# KiCad board Oblique Palette 0.5 PCB Main.kicad_pcb (continued)
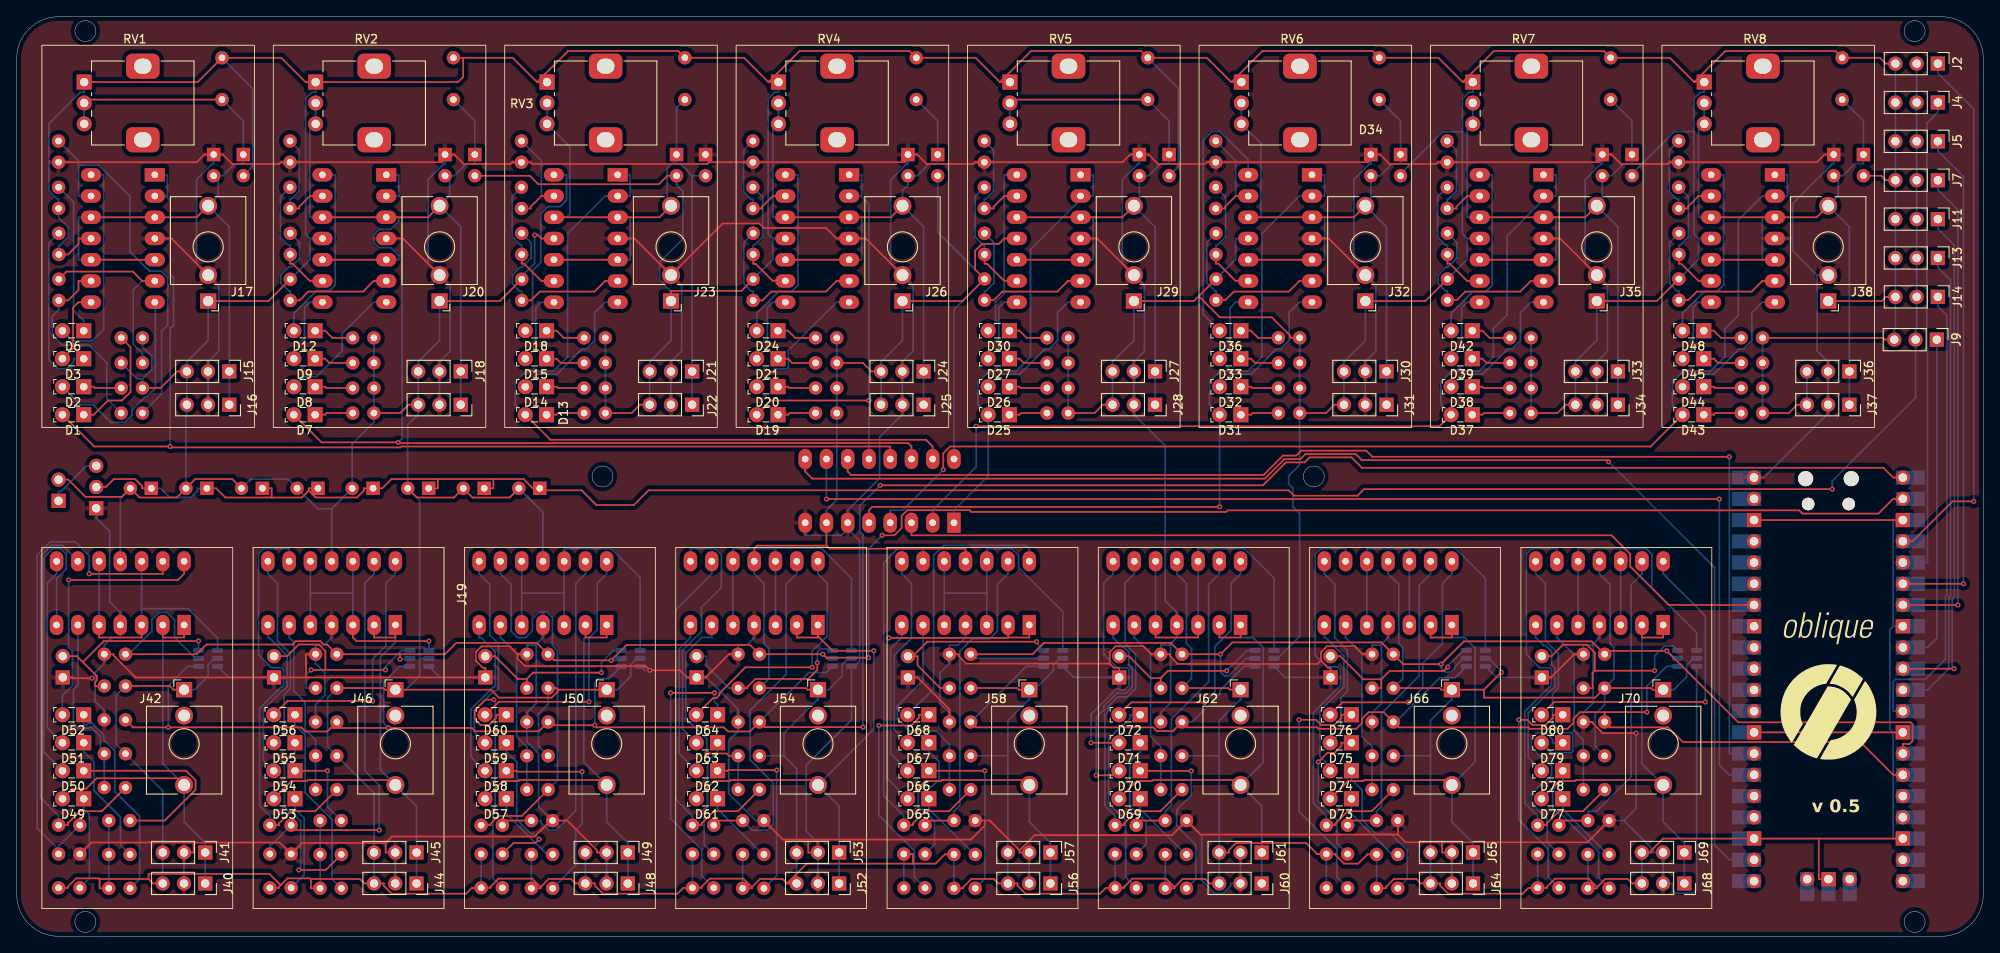
[diagram p0: board, top side]
## Placement (name value [footprint] x y rotation side) (continued)
R112  47K  [R_Axial_DIN0207_L6.3mm_D2.5mm_P2.54mm_Vertical]  114 21.59 180 bottom
R113  390K  [R_Axial_DIN0207_L6.3mm_D2.5mm_P2.54mm_Vertical]  114 17.54 180 bottom
R114  270K  [R_Axial_DIN0207_L6.3mm_D2.5mm_P2.54mm_Vertical]  108.54 13.29 180 bottom
R115  100K  [R_Axial_DIN0207_L6.3mm_D2.5mm_P2.54mm_Vertical]  114.54 13.84 180 bottom
R116  1k  [R_Axial_DIN0207_L6.3mm_D2.5mm_P2.54mm_Vertical]  114.54 9.79 180 bottom
R117  68R  [R_Axial_DIN0207_L6.3mm_D2.5mm_P2.54mm_Vertical]  114.54 5.74 180 bottom
R118  128R  [R_Axial_DIN0207_L6.3mm_D2.5mm_P2.54mm_Vertical]  108.54 9.84 180 bottom
R119  128R  [R_Axial_DIN0207_L6.3mm_D2.5mm_P2.54mm_Vertical]  108.54 5.79 180 bottom
R120  10K  [R_Axial_DIN0207_L6.3mm_D2.5mm_P2.54mm_Vertical]  139.25 33.74 180 bottom
R121  10K  [R_Axial_DIN0207_L6.3mm_D2.5mm_P2.54mm_Vertical]  139.25 29.69 180 bottom
R122  10K  [R_Axial_DIN0207_L6.3mm_D2.5mm_P2.54mm_Vertical]  139.25 25.64 180 bottom
R123  47K  [R_Axial_DIN0207_L6.3mm_D2.5mm_P2.54mm_Vertical]  139.25 21.59 180 bottom
R124  390K  [R_Axial_DIN0207_L6.3mm_D2.5mm_P2.54mm_Vertical]  139.25 17.54 180 bottom
R125  270K  [R_Axial_DIN0207_L6.3mm_D2.5mm_P2.54mm_Vertical]  133.79 13.29 180 bottom
R126  100K  [R_Axial_DIN0207_L6.3mm_D2.5mm_P2.54mm_Vertical]  139.79 13.84 180 bottom
R127  1k  [R_Axial_DIN0207_L6.3mm_D2.5mm_P2.54mm_Vertical]  139.79 9.79 180 bottom
R128  68R  [R_Axial_DIN0207_L6.3mm_D2.5mm_P2.54mm_Vertical]  139.79 5.74 180 bottom
R129  128R  [R_Axial_DIN0207_L6.3mm_D2.5mm_P2.54mm_Vertical]  133.79 9.84 180 bottom
R130  128R  [R_Axial_DIN0207_L6.3mm_D2.5mm_P2.54mm_Vertical]  133.79 5.79 180 bottom
R131  10K  [R_Axial_DIN0207_L6.3mm_D2.5mm_P2.54mm_Vertical]  164.5 33.74 180 bottom
R132  10K  [R_Axial_DIN0207_L6.3mm_D2.5mm_P2.54mm_Vertical]  164.5 29.69 180 bottom
R133  10K  [R_Axial_DIN0207_L6.3mm_D2.5mm_P2.54mm_Vertical]  164.5 25.64 180 bottom
R134  47K  [R_Axial_DIN0207_L6.3mm_D2.5mm_P2.54mm_Vertical]  164.5 21.59 180 bottom
R135  390K  [R_Axial_DIN0207_L6.3mm_D2.5mm_P2.54mm_Vertical]  164.5 17.54 180 bottom
R136  270K  [R_Axial_DIN0207_L6.3mm_D2.5mm_P2.54mm_Vertical]  159.04 13.29 180 bottom
R137  100K  [R_Axial_DIN0207_L6.3mm_D2.5mm_P2.54mm_Vertical]  165.04 13.84 180 bottom
R138  1k  [R_Axial_DIN0207_L6.3mm_D2.5mm_P2.54mm_Vertical]  165.04 9.79 180 bottom
R139  68R  [R_Axial_DIN0207_L6.3mm_D2.5mm_P2.54mm_Vertical]  165.04 5.74 180 bottom
R140  128R  [R_Axial_DIN0207_L6.3mm_D2.5mm_P2.54mm_Vertical]  159.04 9.84 180 bottom
R141  128R  [R_Axial_DIN0207_L6.3mm_D2.5mm_P2.54mm_Vertical]  159.04 5.79 180 bottom
R142  10K  [R_Axial_DIN0207_L6.3mm_D2.5mm_P2.54mm_Vertical]  189.75 33.74 180 bottom
R143  10K  [R_Axial_DIN0207_L6.3mm_D2.5mm_P2.54mm_Vertical]  189.75 29.69 180 bottom
R144  10K  [R_Axial_DIN0207_L6.3mm_D2.5mm_P2.54mm_Vertical]  189.75 25.64 180 bottom
R145  47K  [R_Axial_DIN0207_L6.3mm_D2.5mm_P2.54mm_Vertical]  189.75 21.59 180 bottom
R146  390K  [R_Axial_DIN0207_L6.3mm_D2.5mm_P2.54mm_Vertical]  189.75 17.54 180 bottom
R147  270K  [R_Axial_DIN0207_L6.3mm_D2.5mm_P2.54mm_Vertical]  184.29 13.29 180 bottom
R148  100K  [R_Axial_DIN0207_L6.3mm_D2.5mm_P2.54mm_Vertical]  190.29 13.84 180 bottom
R149  1k  [R_Axial_DIN0207_L6.3mm_D2.5mm_P2.54mm_Vertical]  190.29 9.79 180 bottom
R150  68R  [R_Axial_DIN0207_L6.3mm_D2.5mm_P2.54mm_Vertical]  190.29 5.74 180 bottom
R151  128R  [R_Axial_DIN0207_L6.3mm_D2.5mm_P2.54mm_Vertical]  184.29 9.84 180 bottom
R152  128R  [R_Axial_DIN0207_L6.3mm_D2.5mm_P2.54mm_Vertical]  184.29 5.79 180 bottom
RV1  R_Potentiometer_MountingPin  [Potentiometer_Alps_RK09K_Single_Vertical]  8.06 102.18 0 top
RV2  R_Potentiometer_MountingPin  [Potentiometer_Alps_RK09K_Single_Vertical]  35.72 102.18 0 top
RV3  R_Potentiometer_MountingPin  [Potentiometer_Alps_RK09K_Single_Vertical]  63.37 102.18 0 top
RV4  R_Potentiometer_MountingPin  [Potentiometer_Alps_RK09K_Single_Vertical]  91.03 102.18 0 top
RV5  R_Potentiometer_MountingPin  [Potentiometer_Alps_RK09K_Single_Vertical]  118.69 102.18 0 top
RV6  R_Potentiometer_MountingPin  [Potentiometer_Alps_RK09K_Single_Vertical]  146.34 102.18 0 top
RV7  R_Potentiometer_MountingPin  [Potentiometer_Alps_RK09K_Single_Vertical]  174 102.18 0 top
RV8  R_Potentiometer_MountingPin  [Potentiometer_Alps_RK09K_Single_Vertical]  201.66 102.18 0 top
U1  CD4051B  [DIP-16_W7.62mm_LongPads]  112 49.47 90 bottom
U2  Pico  [RPi_Pico_SMD_TH]  216.5 30.74 180 bottom
U3  MCP6004  [DIP-14_W7.62mm_Socket_LongPads]  16.5 91.09 180 bottom
U4  MCP6004  [DIP-14_W7.62mm_Socket_LongPads]  44.16 91.09 180 bottom
U5  MCP6004  [DIP-14_W7.62mm_Socket_LongPads]  71.81 91.09 180 bottom
U6  MCP6004  [DIP-14_W7.62mm_Socket_LongPads]  99.47 91.09 180 bottom
U7  MCP6004  [DIP-14_W7.62mm_Socket_LongPads]  127.13 91.09 180 bottom
U8  MCP6004  [DIP-14_W7.62mm_Socket_LongPads]  154.78 91.09 180 bottom
U9  MCP6004  [DIP-14_W7.62mm_Socket_LongPads]  182.44 91.09 180 bottom
U10  MCP6004  [DIP-14_W7.62mm_Socket_LongPads]  210.1 91.09 180 bottom
U11  MCP4725xxx-xCH  [SOT-23-6]  22.86 33.24 180 bottom
U12  MCP6004  [DIP-14_W7.62mm_LongPads]  20 37.24 90 bottom
U13  MCP4725xxx-xCH  [SOT-23-6]  48.11 33.24 180 bottom
U14  MCP6004  [DIP-14_W7.62mm_LongPads]  45.25 37.24 90 bottom
U15  MCP4725xxx-xCH  [SOT-23-6]  73.36 33.24 180 bottom
U16  MCP6004  [DIP-14_W7.62mm_LongPads]  70.5 37.24 90 bottom
U17  MCP4725xxx-xCH  [SOT-23-6]  98.61 33.24 180 bottom
U18  MCP6004  [DIP-14_W7.62mm_LongPads]  95.75 37.24 90 bottom
U19  MCP4725xxx-xCH  [SOT-23-6]  123.86 33.24 180 bottom
U20  MCP6004  [DIP-14_W7.62mm_LongPads]  121 37.24 90 bottom
U21  MCP4725xxx-xCH  [SOT-23-6]  149.11 33.24 180 bottom
U22  MCP6004  [DIP-14_W7.62mm_LongPads]  146.25 37.24 90 bottom
U23  MCP4725xxx-xCH  [SOT-23-6]  174.36 33.24 180 bottom
U24  MCP6004  [DIP-14_W7.62mm_LongPads]  171.5 37.24 90 bottom
U25  MCP4725xxx-xCH  [SOT-23-6]  199.61 33.24 180 bottom
U26  MCP6004  [DIP-14_W7.62mm_LongPads]  196.75 37.24 90 bottom

## Library data of the parts
C1-C8 = -: Description: Polarized capacitor, small symbol; ki_fp_filters: CP_*
C9-C16 = -: Description: Unpolarized capacitor; ki_fp_filters: C_*
D1-D3 D6-D9 D12-D15 D18-D21 D24-D27 D30-D33 D36-D39 D42-D45 D48-D80 = -: Datasheet: http://www.osram-os.com/Graphics/XPic0/00203825_0.pdf; Description: 850nm High Power Infrared Emitter, Side-Emitter package; ki_fp_filters: LED*SideEmitter*Rectangular*W4.5mm*H1.6mm*
D4 D5 D10 D11 D16 D17 D22 D23 D28 D29 D34 D35 D40 D41 D46 D47 = -: Description: Diode; Sim.Device: D; Sim.Pins: 1=K 2=A; ki_fp_filters: TO-???* *_Diode_* *SingleDiode* D_*
J2 J4 J5 J7 J9 J11 J13-J16 J18 J19 J21 J22 J24 J25 J27 J28 J30 J31 J33 J34 J36 J37 J40 J41 J44 J45 J48 J49 J52 J53 J56 J57 J60 J61 J64 J65 J68 J69 J71 = -: Description: Generic connector, single row, 01x03, script generated; ki_fp_filters: Connector*:*_1x??_*
J17 J20 J23 J26 J29 J32 J35 J38 J42 J46 J50 J54 J58 J62 J66 J70 = -: Description: Audio Jack, 2 Poles (Mono / TS), Switched T Pole (Normalling); ki_fp_filters: Jack*
J39 J43 J47 J51 J55 J59 J63 J67 J72 = -: Description: Generic connector, single row, 01x02, script generated; ki_fp_filters: Connector*:*_1x??_*
R1-R152 = -: Description: Resistor; ki_fp_filters: R_*
RV1-RV8 = -: Description: Potentiometer with a mounting pin; ki_fp_filters: Potentiometer*
U1 = -: Datasheet: http://www.ti.com/lit/ds/symlink/cd4052b.pdf; Description: CMOS single 8-channel analog multiplexer demultiplexer, TSSOP-16/DIP-16/SOIC-16; ki_fp_filters: TSSOP*4.4x5mm*P0.65mm* DIP*W7.62* SOIC*3.9x9.9mm*P1.27mm* SO*5.3x10.2mm*P1.27mm*
U3-U10 U12 U14 U16 U18 U20 U22 U24 U26 = -: Datasheet: http://ww1.microchip.com/downloads/en/DeviceDoc/21733j.pdf; Description: 1MHz, Low-Power Op Amp, DIP-14/SOIC-14/TSSOP-14; ki_fp_filters: SOIC*3.9x8.7mm*P1.27mm* DIP*W7.62mm* TSSOP*4.4x5mm*P0.65mm* SSOP*5.3x6.2mm*P0.65mm* MSOP*3x3mm*P0.5mm*
U11 U13 U15 U17 U19 U21 U23 U25 = -: Datasheet: http://ww1.microchip.com/downloads/en/DeviceDoc/22039d.pdf; Description: 12-bit Digital-to-Analog Converter, integrated EEPROM, I2C interface, SOT-23-6; ki_fp_filters: SOT?23*

## Footprints (pads in the part's own frame, mm; a bottom-side part is the same pattern mirrored in y, then rotated)
C_Disc_D4.7mm_W2.5mm_P5.00mm
  round 1.6 hole 0.8: 1(0,0) 2(5,0)
CP_Radial_D5.0mm_P2.50mm
  rect 1.6x1.6 hole 0.8: 1(0,0)
  round 1.6 hole 0.8: 2(2.5,0)
D_DO-35_SOD27_P2.54mm_Vertical_KathodeUp
  rect 1.6x1.6 hole 0.8: 1(0,0)
  oval 1.6x1.6 hole 0.8: 2(2.54,0)
DIP-14_W7.62mm_LongPads
  rect 2.4x1.6 hole 0.8: 1(0,0)
  oval 2.4x1.6 hole 0.8: 2(0,-2.54) 3(0,-5.08) 4(0,-7.62) 5(0,-10.16) 6(0,-12.7) 7(0,-15.24) 8(7.62,-15.24) 9(7.62,-12.7) 10(7.62,-10.16) 11(7.62,-7.62) 12(7.62,-5.08) 13(7.62,-2.54) 14(7.62,0)
DIP-14_W7.62mm_Socket_LongPads
  rect 2.4x1.6 hole 0.8: 1(0,0)
  oval 2.4x1.6 hole 0.8: 2(0,-2.54) 3(0,-5.08) 4(0,-7.62) 5(0,-10.16) 6(0,-12.7) 7(0,-15.24) 8(7.62,-15.24) 9(7.62,-12.7) 10(7.62,-10.16) 11(7.62,-7.62) 12(7.62,-5.08) 13(7.62,-2.54) 14(7.62,0)
DIP-16_W7.62mm_LongPads
  rect 2.4x1.6 hole 0.8: 1(0,0)
  oval 2.4x1.6 hole 0.8: 2(0,-2.54) 3(0,-5.08) 4(0,-7.62) 5(0,-10.16) 6(0,-12.7) 7(0,-15.24) 8(0,-17.78) 9(7.62,-17.78) 10(7.62,-15.24) 11(7.62,-12.7) 12(7.62,-10.16) 13(7.62,-7.62) 14(7.62,-5.08) 15(7.62,-2.54) 16(7.62,0)
Jack_3.5mm_QingPu_WQP-PJ398SM_Vertical_CircularHoles
  rect 1.93x1.83 hole 1.22: S(0,0)
  round 2.13 hole 1.43: T(0,-11.4)
  round 2.13 hole 1.42: TN(0,-3.1)
LED_SideEmitter_Rectangular_W4.5mm_H1.6mm
  rect 1.8x1.8 hole 0.9: 1(0,0)
  round 1.8 hole 0.9: 2(2.54,0)
PinHeader_1x02_P2.54mm_Vertical
  rect 1.7x1.7 hole 1: 1(0,0)
  oval 1.7x1.7 hole 1: 2(0,-2.54)
PinHeader_1x03_P2.54mm_Vertical
  rect 1.7x1.7 hole 1: 1(0,0)
  oval 1.7x1.7 hole 1: 2(0,-2.54) 3(0,-5.08)
PinSocket_1x03_P2.54mm_Vertical
  rect 1.7x1.7 hole 1: 1(0,0)
  oval 1.7x1.7 hole 1: 2(0,-2.54) 3(0,-5.08)
Potentiometer_Alps_RK09K_Single_Vertical
  rect 1.8x1.8 hole 1: 1(0,0)
  round 1.8 hole 1: 2(0,-2.5) 3(0,-5)
  rrect 4x3 hole 2.1x1.8: MP(7,1.9) MP(7,-6.9)
R_Axial_DIN0207_L6.3mm_D2.5mm_P2.54mm_Vertical
  round 1.6 hole 0.8: 1(0,0)
  oval 1.6x1.6 hole 0.8: 2(2.54,0)
RPi_Pico_SMD_TH
  oval 1.8x1.8 hole 1.8 unplated: (-2.725,24) (2.725,24)
  oval 1.5x1.5 hole 1.5 unplated: (-2.425,20.97) (2.425,20.97)
  oval 1.7x1.7 hole 1.02: 1(-8.89,24.13) 2(-8.89,21.59) 4(-8.89,16.51) 5(-8.89,13.97) 6(-8.89,11.43) 7(-8.89,8.89) 9(-8.89,3.81) 10(-8.89,1.27) 11(-8.89,-1.27) 12(-8.89,-3.81) 14(-8.89,-8.89) 15(-8.89,-11.43) 16(-8.89,-13.97) 17(-8.89,-16.51) 19(-8.89,-21.59) 20(-8.89,-24.13) 21(8.89,-24.13) 22(8.89,-21.59) 24(8.89,-16.51) 25(8.89,-13.97) 26(8.89,-11.43) 27(8.89,-8.89) 29(8.89,-3.81) 30(8.89,-1.27) 31(8.89,1.27) 32(8.89,3.81) 34(8.89,8.89) 35(8.89,11.43) 36(8.89,13.97) 37(8.89,16.51) 39(8.89,21.59) 40(8.89,24.13) 41(-2.54,-23.9) 43(2.54,-23.9)
  rect 3.5x1.7 smd: 1(-8.89,24.13) 2(-8.89,21.59) 3(-8.89,19.05) 4(-8.89,16.51) 5(-8.89,13.97) 6(-8.89,11.43) 7(-8.89,8.89) 8(-8.89,6.35) 9(-8.89,3.81) 10(-8.89,1.27) 11(-8.89,-1.27) 12(-8.89,-3.81) 13(-8.89,-6.35) 14(-8.89,-8.89) 15(-8.89,-11.43) 16(-8.89,-13.97) 17(-8.89,-16.51) 18(-8.89,-19.05) 19(-8.89,-21.59) 20(-8.89,-24.13) 21(8.89,-24.13) 22(8.89,-21.59) 23(8.89,-19.05) 24(8.89,-16.51) 25(8.89,-13.97) 26(8.89,-11.43) 27(8.89,-8.89) 28(8.89,-6.35) 29(8.89,-3.81) 30(8.89,-1.27) 31(8.89,1.27) 32(8.89,3.81) 33(8.89,6.35) 34(8.89,8.89) 35(8.89,11.43) 36(8.89,13.97) 37(8.89,16.51) 38(8.89,19.05) 39(8.89,21.59) 40(8.89,24.13)
  rect 1.7x1.7 hole 1.02: 3(-8.89,19.05) 8(-8.89,6.35) 13(-8.89,-6.35) 18(-8.89,-19.05) 23(8.89,-19.05) 28(8.89,-6.35) 33(8.89,6.35) 38(8.89,19.05) 42(0,-23.9)
  rect 1.7x3.5 smd: 41(-2.54,-23.9) 42(0,-23.9) 43(2.54,-23.9)
SOT-23-6
  rrect 1.325x0.6 smd: 1(-1.137,0.95) 2(-1.137,0) 3(-1.137,-0.95) 4(1.137,-0.95) 5(1.137,0) 6(1.137,0.95)

## Nets
GNDREF: C1.2 C2.2 C3.2 C4.2 C5.2 C6.2 C7.2 C8.2 C9.2 C10.2 C11.2 C12.2 C13.2 C14.2 C15.2 C16.2 D5.2 D11.2 D17.2 D23.2 D29.2 D35.2 D41.2 D47.2 J2.3 J4.3 J5.3 J7.3 J9.3 J11.3 J13.3 J14.3 J15.3 J16.3 J17.S J18.3 J19.3 J20.S J21.3 J22.3 J23.S J24.3 J25.3 J26.S J27.3 J28.3 J29.S J30.3 J31.3 J32.S J33.3 J34.3 J35.S J36.3 J37.3 J38.S J40.3 J41.3 J42.S J44.3 J45.3 J46.S J48.3 J49.3 J50.S J52.3 J53.3 J54.S J56.3 J57.3 J58.S J60.3 J61.3 J62.S J64.3 J65.3 J66.S J68.3 J69.3 J70.S J72.2 R1.2 R2.1 R3.2 R5.2 R7.2 R9.2 R10.1 R11.2 R13.2 R15.2 R17.2 R18.1 R19.2 R21.2 R23.2 R25.2 R26.1 R27.2 R29.2 R31.2 R33.2 R34.1 R35.2 R37.2 R39.2 R41.2 R42.1 R43.2 R45.2 R47.2 R49.2 R50.1 R51.2 R53.2 R55.2 R57.2 R58.1 R59.2 R61.2 R63.2 R66.1 R68.1 R72.2 R73.2 R74.2 R75.2 R77.1 R79.1 R83.2 R84.2 R85.2 R86.2 R88.1 R90.1 R94.2 R95.2 R96.2 R97.2 R99.1 R101.1 R105.2 R106.2 R107.2 R108.2 R110.1 R112.1 R116.2 R117.2 R118.2 R119.2 R121.1 R123.1 R127.2 R128.2 R129.2 R130.2 R132.1 R134.1 R138.2 R139.2 R140.2 R141.2 R143.1 R145.1 R149.2 R150.2 R151.2 R152.2 RV1.1 RV2.1 RV3.1 RV4.1 RV5.1 RV6.1 RV7.1 RV8.1 U1.7 U1.16 U2.3 U2.8 U2.13 U2.18 U2.23 U2.28 U2.38 U2.42 U3.11 U4.11 U5.11 U6.11 U7.11 U8.11 U9.11 U10.11 U11.2 U12.11 U13.2 U14.11 U15.2 U16.11 U17.2 U18.11 U19.2 U20.11 U21.2 U22.11 U23.2 U24.11 U25.2 U26.11
VCC: D4.1 D10.1 D16.1 D22.1 D28.1 D34.1 D40.1 D46.1 J15.2 J16.2 J17.TN J18.2 J19.2 J20.TN J21.2 J22.2 J23.TN J24.2 J25.2 J26.TN J27.2 J28.2 J29.TN J30.2 J31.2 J32.TN J33.2 J34.2 J35.TN J36.2 J37.2 J38.TN J39.1 J40.2 J41.2 J43.1 J44.2 J45.2 J47.1 J48.2 J49.2 J51.1 J52.2 J53.2 J55.1 J56.2 J57.2 J59.1 J60.2 J61.2 J63.1 J64.2 J65.2 J67.1 J68.2 J69.2 J71.1 R8.2 R16.2 R24.2 R32.2 R40.2 R48.2 R56.2 R64.2 R65.2 R67.2 R71.1 R76.2 R78.2 R82.1 R87.2 R89.2 R93.1 R98.2 R100.2 R104.1 R109.2 R111.2 R115.1 R120.2 R122.2 R126.1 R131.2 R133.2 R137.1 R142.2 R144.2 R148.1 U1.6 U1.8 U2.40 U3.4 U4.4 U5.4 U6.4 U7.4 U8.4 U9.4 U10.4 U11.3 U12.4 U13.3 U14.4 U15.3 U16.4 U17.3 U18.4 U19.3 U20.4 U21.3 U22.4 U23.3 U24.4 U25.3 U26.4
/Input 1/ANALOG_IN: D1.2 U1.13 U3.1 U3.2
/Input 2/ANALOG_IN: D7.2 U1.14 U4.1 U4.2
/Input 3/ANALOG_IN: D13.2 U1.15 U5.1 U5.2
/Input 4/ANALOG_IN: D19.2 U1.12 U6.1 U6.2
/Input 5/ANALOG_IN: D25.2 U1.1 U7.1 U7.2
/Input 6/ANALOG_IN: D31.2 U1.5 U8.1 U8.2
/Input 7/ANALOG_IN: D37.2 U1.2 U9.1 U9.2
/Input 8/ANALOG_IN: D43.2 U1.4 U10.1 U10.2
ADC: U1.3 U2.34
ADC_0: U1.11 U2.27
ADC_1: U1.10 U2.26
ADC_2: U1.9 U2.22
SCL_0: R65.1 R76.1 R87.1 R98.1 U2.2 U11.5 U13.5 U15.5 U17.5
SCL_1: R111.1 R122.1 R133.1 R144.1 U2.15 U19.4 U21.4 U23.4 U25.4
SDA_0: R67.1 R78.1 R89.1 R100.1 U2.1 U11.4 U13.4 U15.4 U17.4
SDA_1: R109.1 R120.1 R131.1 R142.1 U2.14 U19.5 U21.5 U23.5 U25.5
SERVO_1: J2.1 U2.4
SERVO_2: J4.1 U2.5
SERVO_3: J5.1 U2.6
SERVO_4: J7.1 U2.7
SERVO_5: J9.1 U2.9
SERVO_6: J11.1 U2.10
SERVO_7: J13.1 U2.11
SERVO_8: J14.1 U2.12
V_SERVO: C1.1 C2.1 C3.1 C4.1 C5.1 C6.1 C7.1 C8.1 J2.2 J4.2 J5.2 J7.2 J9.2 J11.2 J13.2 J14.2 J71.2
Net-(D1-K): D1.1 R1.1
Net-(D2-A): D2.2 U3.7
Net-(D2-K): D2.1 R3.1
Net-(D3-A): D3.2 U3.8
Net-(D3-K): D3.1 R5.1
Net-(D4-A): C9.1 D4.2 D5.1 J15.1 J16.1 J17.T RV1.2 RV1.3 U3.3 U3.5 U3.10 U3.12
Net-(D6-A): D6.2 U3.14
Net-(D6-K): D6.1 R7.1
Net-(D7-K): D7.1 R9.1
Net-(D8-A): D8.2 U4.7
Net-(D8-K): D8.1 R11.1
Net-(D9-A): D9.2 U4.8
Net-(D9-K): D9.1 R13.1
Net-(D10-A): C10.1 D10.2 D11.1 J18.1 J19.1 J20.T RV2.2 RV2.3 U4.3 U4.5 U4.10 U4.12
Net-(D12-A): D12.2 U4.14
Net-(D12-K): D12.1 R15.1
Net-(D13-K): D13.1 R17.1
Net-(D14-A): D14.2 U5.7
Net-(D14-K): D14.1 R19.1
Net-(D15-A): D15.2 U5.8
Net-(D15-K): D15.1 R21.1
Net-(D16-A): C11.1 D16.2 D17.1 J21.1 J22.1 J23.T RV3.2 RV3.3 U5.3 U5.5 U5.10 U5.12
Net-(D18-A): D18.2 U5.14
Net-(D18-K): D18.1 R23.1
Net-(D19-K): D19.1 R25.1
Net-(D20-A): D20.2 U6.7
Net-(D20-K): D20.1 R27.1
Net-(D21-A): D21.2 U6.8
Net-(D21-K): D21.1 R29.1
Net-(D22-A): C12.1 D22.2 D23.1 J24.1 J25.1 J26.T RV4.2 RV4.3 U6.3 U6.5 U6.10 U6.12
Net-(D24-A): D24.2 U6.14
Net-(D24-K): D24.1 R31.1
Net-(D25-K): D25.1 R33.1
Net-(D26-A): D26.2 U7.7
Net-(D26-K): D26.1 R35.1
Net-(D27-A): D27.2 U7.8
Net-(D27-K): D27.1 R37.1
Net-(D28-A): C13.1 D28.2 D29.1 J27.1 J28.1 J29.T RV5.2 RV5.3 U7.3 U7.5 U7.10 U7.12
Net-(D30-A): D30.2 U7.14
Net-(D30-K): D30.1 R39.1
Net-(D31-K): D31.1 R41.1
Net-(D32-A): D32.2 U8.7
Net-(D32-K): D32.1 R43.1
Net-(D33-A): D33.2 U8.8
Net-(D33-K): D33.1 R45.1
Net-(D34-A): C14.1 D34.2 D35.1 J30.1 J31.1 J32.T RV6.2 RV6.3 U8.3 U8.5 U8.10 U8.12
Net-(D36-A): D36.2 U8.14
Net-(D36-K): D36.1 R47.1
Net-(D37-K): D37.1 R49.1
Net-(D38-A): D38.2 U9.7
Net-(D38-K): D38.1 R51.1
Net-(D39-A): D39.2 U9.8
Net-(D39-K): D39.1 R53.1
Net-(D40-A): C15.1 D40.2 D41.1 J33.1 J34.1 J35.T RV7.2 RV7.3 U9.3 U9.5 U9.10 U9.12
Net-(D42-A): D42.2 U9.14
Net-(D42-K): D42.1 R55.1
Net-(D43-K): D43.1 R57.1
Net-(D44-A): D44.2 U10.7
Net-(D44-K): D44.1 R59.1
Net-(D45-A): D45.2 U10.8
Net-(D45-K): D45.1 R61.1
Net-(D46-A): C16.1 D46.2 D47.1 J36.1 J37.1 J38.T RV8.2 RV8.3 U10.3 U10.5 U10.10 U10.12
Net-(D48-A): D48.2 U10.14
Net-(D48-K): D48.1 R63.1
Net-(D49-A): D49.2 J40.1 J41.1 J42.T U12.1 U12.2
Net-(D49-K): D49.1 R72.1
Net-(D50-A): D50.2 U12.7
Net-(D50-K): D50.1 R73.1
Net-(D51-A): D51.2 U12.8
Net-(D51-K): D51.1 R74.1
Net-(D52-A): D52.2 U12.14
Net-(D52-K): D52.1 R75.1
Net-(D53-A): D53.2 J44.1 J45.1 J46.T U14.1 U14.2
Net-(D53-K): D53.1 R83.1
Net-(D54-A): D54.2 U14.7
Net-(D54-K): D54.1 R84.1
Net-(D55-A): D55.2 U14.8
Net-(D55-K): D55.1 R85.1
Net-(D56-A): D56.2 U14.14
Net-(D56-K): D56.1 R86.1
Net-(D57-A): D57.2 J48.1 J49.1 J50.T U16.1 U16.2
Net-(D57-K): D57.1 R94.1
Net-(D58-A): D58.2 U16.7
Net-(D58-K): D58.1 R95.1
Net-(D59-A): D59.2 U16.8
Net-(D59-K): D59.1 R96.1
Net-(D60-A): D60.2 U16.14
Net-(D60-K): D60.1 R97.1
Net-(D61-A): D61.2 J52.1 J53.1 J54.T U18.1 U18.2
Net-(D61-K): D61.1 R105.1
Net-(D62-A): D62.2 U18.7
Net-(D62-K): D62.1 R106.1
Net-(D63-A): D63.2 U18.8
Net-(D63-K): D63.1 R107.1
Net-(D64-A): D64.2 U18.14
Net-(D64-K): D64.1 R108.1
Net-(D65-A): D65.2 J56.1 J57.1 J58.T U20.1 U20.2
Net-(D65-K): D65.1 R116.1
Net-(D66-A): D66.2 U20.7
Net-(D66-K): D66.1 R117.1
Net-(D67-A): D67.2 U20.8
Net-(D67-K): D67.1 R118.1
Net-(D68-A): D68.2 U20.14
Net-(D68-K): D68.1 R119.1
Net-(D69-A): D69.2 J60.1 J61.1 J62.T U22.1 U22.2
Net-(D69-K): D69.1 R127.1
Net-(D70-A): D70.2 U22.7
Net-(D70-K): D70.1 R128.1
Net-(D71-A): D71.2 U22.8
Net-(D71-K): D71.1 R129.1
Net-(D72-A): D72.2 U22.14
Net-(D72-K): D72.1 R130.1
Net-(D73-A): D73.2 J64.1 J65.1 J66.T U24.1 U24.2
Net-(D73-K): D73.1 R138.1
Net-(D74-A): D74.2 U24.7
Net-(D74-K): D74.1 R139.1
Net-(D75-A): D75.2 U24.8
Net-(D75-K): D75.1 R140.1
Net-(D76-A): D76.2 U24.14
Net-(D76-K): D76.1 R141.1
Net-(D77-A): D77.2 J68.1 J69.1 J70.T U26.1 U26.2
Net-(D77-K): D77.1 R149.1
Net-(D78-A): D78.2 U26.7
Net-(D78-K): D78.1 R150.1
Net-(D79-A): D79.2 U26.8
Net-(D79-K): D79.1 R151.1
Net-(D80-A): D80.2 U26.14
Net-(D80-K): D80.1 R152.1
Net-(J39-Pin_2): J39.2 R66.2 U11.6
Net-(J43-Pin_2): J43.2 R77.2 U13.6
Net-(J47-Pin_2): J47.2 R88.2 U15.6
Net-(J51-Pin_2): J51.2 R99.2 U17.6
Net-(J55-Pin_2): J55.2 R110.2 U19.6
Net-(J59-Pin_2): J59.2 R121.2 U21.6
Net-(J63-Pin_2): J63.2 R132.2 U23.6
Net-(J67-Pin_2): J67.2 R143.2 U25.6
Net-(J71-Pin_3): J71.3 J72.1
Net-(U3B--): R2.2 R4.1 U3.6
Net-(U3C--): R4.2 R6.1 U3.9
Net-(U3D--): R6.2 R8.1 U3.13
Net-(U4B--): R10.2 R12.1 U4.6
Net-(U4C--): R12.2 R14.1 U4.9
Net-(U4D--): R14.2 R16.1 U4.13
Net-(U5B--): R18.2 R20.1 U5.6
Net-(U5C--): R20.2 R22.1 U5.9
Net-(U5D--): R22.2 R24.1 U5.13
Net-(U6B--): R26.2 R28.1 U6.6
Net-(U6C--): R28.2 R30.1 U6.9
Net-(U6D--): R30.2 R32.1 U6.13
Net-(U7B--): R34.2 R36.1 U7.6
Net-(U7C--): R36.2 R38.1 U7.9
Net-(U7D--): R38.2 R40.1 U7.13
Net-(U8B--): R42.2 R44.1 U8.6
Net-(U8C--): R44.2 R46.1 U8.9
Net-(U8D--): R46.2 R48.1 U8.13
Net-(U9B--): R50.2 R52.1 U9.6
Net-(U9C--): R52.2 R54.1 U9.9
Net-(U9D--): R54.2 R56.1 U9.13
Net-(U10B--): R58.2 R60.1 U10.6
Net-(U10C--): R60.2 R62.1 U10.9
Net-(U10D--): R62.2 R64.1 U10.13
Net-(U11-VOUT): U11.1 U12.3 U12.5 U12.10 U12.12
Net-(U12B--): R68.2 R69.2 U12.6
Net-(U12C--): R69.1 R70.2 U12.9
Net-(U12D--): R70.1 R71.2 U12.13
Net-(U13-VOUT): U13.1 U14.3 U14.5 U14.10 U14.12
Net-(U14B--): R79.2 R80.2 U14.6
Net-(U14C--): R80.1 R81.2 U14.9
Net-(U14D--): R81.1 R82.2 U14.13
Net-(U15-VOUT): U15.1 U16.3 U16.5 U16.10 U16.12
Net-(U16B--): R90.2 R91.2 U16.6
Net-(U16C--): R91.1 R92.2 U16.9
Net-(U16D--): R92.1 R93.2 U16.13
Net-(U17-VOUT): U17.1 U18.3 U18.5 U18.10 U18.12
Net-(U18B--): R101.2 R102.2 U18.6
Net-(U18C--): R102.1 R103.2 U18.9
Net-(U18D--): R103.1 R104.2 U18.13
Net-(U19-VOUT): U19.1 U20.3 U20.5 U20.10 U20.12
Net-(U20B--): R112.2 R113.2 U20.6
Net-(U20C--): R113.1 R114.2 U20.9
Net-(U20D--): R114.1 R115.2 U20.13
Net-(U21-VOUT): U21.1 U22.3 U22.5 U22.10 U22.12
Net-(U22B--): R123.2 R124.2 U22.6
Net-(U22C--): R124.1 R125.2 U22.9
Net-(U22D--): R125.1 R126.2 U22.13
Net-(U23-VOUT): U23.1 U24.3 U24.5 U24.10 U24.12
Net-(U24B--): R134.2 R135.2 U24.6
Net-(U24C--): R135.1 R136.2 U24.9
Net-(U24D--): R136.1 R137.2 U24.13
Net-(U25-VOUT): U25.1 U26.3 U26.5 U26.10 U26.12
Net-(U26B--): R145.2 R146.2 U26.6
Net-(U26C--): R146.1 R147.2 U26.9
Net-(U26D--): R147.1 R148.2 U26.13

Pads without a net: J42 TN; J46 TN; J50 TN; J54 TN; J58 TN; J62 TN; J66 TN; J70 TN; RV1 MP; RV2 MP; RV3 MP; RV4 MP; RV5 MP; RV6 MP; RV7 MP; RV8 MP; U2 16 17 19 20 21 24 25 29 30 31 32 33 35 36 37 39 41 43

## Via types
v1: diameter 0.6, hole 0.3, Top to Bottom, 72 vias

## Routing (per net, layer and track width the routed paths; a pad name or vN(x,y) marks a point on that pad's centre or on a via; arc(x,y) is an arc through that point)
GNDREF: length 1926.6
  Top w0.2: J26.S 113.02,75.99 R34.1 114.53,79.76 114.53,82 115.36,82.83 117.37,82.83 118.01,83.47 U7.11 ; 213.92,63.59 212.77,63.59 211.77,62.59 R57.2 ; J29.S 140.67,75.99 141.25,76.57 ; J70.S 195.48,29.5 195.29,29.69 R143.1 188.61,28.55 175.34,28.55 175.34,29.5 ; J17.S 30.08,75.99 R10.1 ; J34.3 185.11,63.59 184.11,62.59 R49.2 ; 87.85,5.88 88.84,6.86 91.5,6.86 92.04,6.32 ; 87.85,5.88 87.85,5.74 R106.2 ; 87.85,5.88 86.83,6.9 82.82,6.9 81.85,5.93 81.85,5.79 R108.2 79.65,5.79 78.95,5.09 70.06,5.09 69.1,6.05 69.1,6.32 66.79,6.32 66.25,6.86 63.59,6.86 62.6,5.88 ; 89.83,102.18 93.56,105.91 106.68,105.91 C12.2 114.58,105.09 117.49,102.18 ; 89.83,102.18 86.92,105.09 C11.2 79.03,105.91 65.9,105.91 62.17,102.18 ; 89.83,102.18 RV4.1 ; J69.3 195.35,10.02 195.35,10.29 196.75,11.69 U2.23 215.35,11.69 ; 35.15,6.85 35.15,5.74 R86.2 ; 35.15,6.85 35.07,6.93 32.35,6.93 31.54,6.12 ; 35.15,6.85 41.01,6.85 41.54,6.32 J44.3 43.85,6.32 43.85,6.05 44.81,5.09 53.7,5.09 54.4,5.79 R97.2 56.6,5.79 56.6,5.93 57.57,6.9 61.58,6.9 62.6,5.88 ; R50.1 168.33,75.99 J32.S ; D17.2 77.74,90.98 76.73,89.96 62.32,89.96 61.3,90.98 D11.2 ; 9.9,6.85 9.9,5.74 R75.2 ; 9.9,6.85 15.76,6.85 ; 9.9,6.85 9.82,6.93 7.1,6.93 6.1,5.93 6.1,5.79 R72.2 ; RV3.1 62.17,102.18 ; 62.17,102.18 59.26,105.09 53.35,105.09 ; J62.S 144.98,29.5 144.79,29.69 R121.1 ; 96.76,46.73 U1.7 ; 96.76,46.73 88.5,46.73 88.13,46.36 U18.11 ; 96.76,46.73 97.13,46.36 113.38,46.36 U20.11 ; R29.2 101.12,68.59 102.14,67.57 J24.3 ; 53.35,105.09 53.35,102.81 52.72,102.18 RV2.1 34.52,102.18 31.61,105.09 C9.2 21.62,102.18 RV1.1 ; 53.35,105.09 C10.2 ; 138.35,5.88 137.33,6.9 133.32,6.9 132.35,5.93 132.35,5.79 R130.2 130.15,5.79 129.45,5.09 120.56,5.09 119.6,6.05 119.6,6.32 J56.3 117.29,6.32 116.75,6.86 114.09,6.86 113.1,5.88 113.1,5.74 R117.2 ; 138.35,5.88 138.35,5.74 R128.2 ; 138.35,5.88 139.34,6.86 142,6.86 142.54,6.32 J60.3 ; J72.2 6.15,54.63 8.21,52.57 12.56,52.57 C8.2 14.68,52.49 19.12,52.49 C6.2 21.32,54.69 25.76,54.69 C4.2 ; R110.1 119.54,29.69 119.73,29.5 J58.S ; 64.64,29.5 64.45,29.69 R88.1 ; 64.64,29.5 64.64,29.26 63.93,28.55 57.61,28.55 56.66,29.5 J46.S 43.98,29.5 43.79,29.69 R77.1 ; 64.64,29.5 J50.S ; 175.34,29.5 v1(177.42,31.58) ; 175.34,29.5 J66.S 170.23,29.5 170.04,29.69 R132.1 ; 92.04,6.32 94.41,8.69 107.1,8.69 ; 92.04,6.32 J52.3 ; J42.S 18.73,29.5 18.29,29.94 R66.1 ; 145.14,102.18 148.87,105.91 162,105.91 C14.2 169.89,105.09 172.8,102.18 ; 145.14,102.18 142.23,105.09 C13.2 134.34,105.91 121.21,105.91 117.49,102.18 ; 145.14,102.18 RV6.1 ; J22.3 74.48,63.59 73.48,62.59 R17.2 ; 15.76,6.85 15.76,7.47 30.18,7.47 31.54,6.12 ; 15.76,6.85 16.29,6.32 J40.3 ; 215.35,11.69 215.35,6.84 U2.42 ; 215.35,11.69 U2.18 ; U2.38 U2.3 ; 141.25,76.57 143.77,74.05 149.98,74.05 152.21,71.82 152.21,71.59 R47.2 ; 141.25,76.57 R42.1 ; 62.6,5.88 62.6,5.74 R95.2 ; J31.3 157.45,63.59 156.45,62.59 R41.2 ; 172.8,102.18 RV7.1 ; 172.8,102.18 176.5,105.88 189.68,105.88 C15.2 197.55,105.09 200.46,102.18 ; R99.1 94.29,29.69 94.48,29.5 J54.S ; J61.3 144.85,10.02 144.85,10.31 145.71,11.17 154.07,11.17 155.4,9.84 R140.2 157.6,9.84 157.6,9.7 158.62,8.69 160.3,8.69 161.4,9.79 R138.2 ; J68.3 193.04,6.32 192.5,6.86 189.84,6.86 188.85,5.88 ; R26.1 86.61,77.21 78.19,77.21 J23.S ; R139.2 163.6,5.74 163.6,5.88 164.59,6.86 167.25,6.86 167.79,6.32 J64.3 170.1,6.32 170.1,6.05 171.06,5.09 179.95,5.09 180.65,5.79 R152.2 182.85,5.79 182.85,5.93 183.82,6.9 187.83,6.9 188.85,5.88 ; 188.85,5.88 188.85,5.74 R150.2 ; R63.2 223,71.59 223.22,71.37 J9.3 ; U2.28 U2.13 ; 117.49,102.18 RV5.1 ; J28.3 129.8,63.59 128.8,62.59 R33.2 ; 31.54,6.12 31.35,5.93 31.35,5.79 R83.2 ; J20.S 57.73,75.99 R18.1 ; R116.2 110.9,9.79 109.8,8.69 107.1,8.69 ; C5.2 47.82,52.49 52.26,52.49 C3.2 54.46,52.49 58.9,52.49 C1.2 ; R9.2 45.83,62.59 46.83,63.59 47.98,63.59 ; 200.46,102.18 RV8.1 ; 200.46,102.18 204.16,105.88 217.33,105.88 C16.2 222.65,105.09 223.35,104.39 J2.3 ; R5.2 6.13,81.56 7.38,82.81 7.38,83.47 U3.11 ; J38.S 222.85,75.99 223.35,76.49 J14.3 ; 107.1,8.69 107.1,9.84 R118.2 ; J15.3 19.17,67.57 17.19,65.59 R3.2 ; U5.11 62.69,83.47 62.28,83.88 v1(61.89,83.88) ; J35.S 195.99,75.99 R58.1 ; J7.3 223.35,90.44 222.81,90.98 D47.2
  Bottom w0.2: C13.2 138.81,101.44 138.81,92.08 D29.2 ; C8.2 12.38,52.39 U12.11 ; R39.2 125.65,70.49 125.66,70.48 R37.2 R35.2 125.66,63.7 125.65,63.69 R33.2 ; U26.11 189.13,43.36 190.4,42.09 190.4,35.01 190.87,34.54 190.87,30.81 R143.1 189.75,27.71 188.63,26.59 188.63,22.71 R145.1 ; J58.S 121,28.89 ; 121,28.89 121,28.28 120.92,28.28 118.44,25.8 118.44,21.59 ; 121,28.89 123.9,31.79 123.9,32.51 124.62,33.24 U19.2 ; J40.3 J41.3 17.45,17.39 R68.1 11.89,22.95 11.89,28.83 R66.1 ; U1.16 112,74.97 R34.1 110.05,84.24 D23.2 ; 200.42,96.26 198.1,96.26 193.02,91.18 D41.2 ; 200.42,96.26 200.42,84.03 200.98,83.47 ; 200.42,96.26 200.42,100.19 201.21,100.98 201.66,100.98 RV8.1 ; J42.S 21.27,29.5 22.86,31.1 22.86,32.48 23.62,33.24 U11.2 ; U2.13 224.24,24.39 ; R119.2 R118.2 ; 224.24,37.09 223.84,36.69 223.84,24.79 224.24,24.39 ; 224.24,37.09 224.24,49.79 U2.3 ; 224.24,37.09 U2.8 ; 35.04,83.47 35.04,80.95 R10.1 ; 35.04,83.47 34.51,83.99 34.51,100.23 35.27,100.98 35.72,100.98 RV2.1 ; 35.04,83.47 U4.11 ; J25.3 J24.3 103.29,68.72 105.85,71.28 J26.S ; U21.2 150.68,33.24 153.31,35.87 153.31,50.59 152.5,51.4 152.5,53.59 152,54.09 152,55.09 153.31,56.4 R41.2 153.31,63.69 153.31,63.7 R43.2 R45.2 153.31,70.48 153.31,70.49 R47.2 ; R112.1 118.44,21.59 ; 118.44,21.59 J57.3 J56.3 ; J9.3 224.37,72.52 224.5,72.65 J14.3 J13.3 J11.3 J7.3 J5.3 J4.3 J2.3 ; J66.S 171.5,28.28 171.42,28.28 168.94,25.8 168.94,21.59 ; R140.2 R141.2 ; R95.2 R94.2 ; 15.03,66.69 14.39,66.69 R2.1 ; 15.03,66.69 16.14,67.8 16.14,69.37 15.02,70.49 R1.2 ; 15.03,66.69 R3.2 ; 48.15,33.24 48.15,52.16 C5.2 46.72,61.18 47.98,62.44 47.98,68.72 50.53,71.28 J20.S ; 48.15,33.24 48.15,31.13 46.52,29.5 J46.S ; 48.15,33.24 U13.2 ; R75.2 R74.2 R73.2 ; 172.76,96.24 170.42,96.24 165.36,91.18 D35.2 ; 172.76,96.24 172.76,100.18 173.55,100.98 174,100.98 RV7.1 ; 172.76,96.24 172.76,84.04 173.32,83.47 ; J64.3 J65.3 168.94,21.59 ; R88.1 63.5,27.76 62.36,26.61 62.36,22.73 R90.1 ; R50.1 173.32,80.98 173.32,83.47 ; R57.2 208.62,63.69 208.63,63.7 R59.2 R61.2 208.63,70.48 208.62,70.49 R63.2 ; v1(177.42,31.58) 177.42,31.72 175.91,33.24 U23.2 ; R117.2 R116.2 ; R18.1 60.34,78.94 61.89,80.5 v1(61.89,83.88) ; RV1.1 8.06,100.98 7.61,100.98 3.85,97.22 3.85,89.17 4.86,88.16 5,88.16 R7.2 5,85.96 6.17,84.78 6.17,83.67 5.17,82.66 5.03,82.66 R5.2 ; 42.68,62.04 42.68,61.49 40.08,58.89 C7.2 37.63,51.14 ; 42.68,62.04 R9.2 ; 42.68,62.04 42.69,62.04 R11.2 R13.2 42.69,70.48 42.68,70.49 R15.2 ; 91.68,21.59 93.19,20.08 J53.3 J52.3 ; 91.68,21.59 R101.1 ; 91.68,21.59 91.68,24.29 95.67,28.28 95.75,28.28 J54.S 97.02,29.5 98.65,31.13 98.65,32.51 99.37,33.24 U17.2 ; U16.11 62.88,50.71 C1.2 ; RV4.1 91.03,100.98 90.58,100.98 89.79,100.19 89.79,84.03 90.35,83.47 ; J17.S 22.88,71.28 20.32,68.72 J15.3 J16.3 20.32,62.44 20.22,62.34 C6.2 ; 224.24,24.39 224.24,24.39 224.24,11.69 U2.18 ; R55.2 180.97,70.49 180.97,70.48 R53.2 R51.2 180.97,64.49 180.97,64.48 R49.2 ; J32.S 161.16,71.28 158.6,68.72 J30.3 J31.3 ; D5.2 28.19,92.09 28.19,101.43 C9.2 ; 200.98,83.47 200.98,80.98 R58.1 ; 200.98,83.47 202.48,83.47 ; R26.1 90.35,80.95 90.35,83.47 ; J44.3 J45.3 42.7,17.14 R79.1 37.15,22.69 37.15,28.55 38.25,29.66 R77.1 ; J29.S 133.5,71.28 130.95,68.72 J27.3 J28.3 ; R139.2 R138.2 ; R151.2 R152.2 ; R23.2 70.34,70.49 70.34,70.48 R21.2 R19.2 70.34,64.49 70.34,64.48 R17.2 ; 90.35,83.47 U6.11 ; U14.11 37.63,51.14 ; 37.63,51.14 35.95,51.14 C2.2 32.4,54.69 27.96,54.69 C4.2 ; R99.1 89.88,30.82 89.88,34.41 89.28,35.01 89.28,42.21 88.13,43.36 U18.11 ; R127.2 R128.2 ; U1.7 96.76,50.97 98,52.21 R25.2 98,63.69 98,63.7 R27.2 R29.2 98,69.69 98,69.7 R31.2 ; R84.2 R85.2 R86.2 ; J35.S 188.82,71.28 186.26,68.72 J33.3 J34.3 ; U15.2 74.12,33.24 73.36,32.48 73.36,31.1 71.77,29.5 J50.S ; R105.2 R106.2 ; R150.2 R149.2 ; 143.69,21.59 143.69,25.8 146.17,28.28 146.25,28.28 J62.S ; 143.69,21.59 R123.1 ; 143.69,21.59 J61.3 J60.3 ; 173.32,83.47 U9.11 ; U8.11 145.66,83.47 145.66,80.98 R42.1 ; U25.2 200.38,33.24 199.55,32.41 199.55,31.04 198.02,29.5 J70.S ; R130.2 R129.2 ; D17.2 78.84,89.87 79.61,89.11 79.61,83.42 76.82,80.64 76.82,78.5 78.11,77.21 78.19,77.21 J23.S 78.19,71.28 75.63,68.72 J21.3 J22.3 ; 213.92,63.59 213.92,67.57 ; R134.1 168.94,21.59 ; J68.3 J69.3 ; 67.94,6.32 67.94,10.02 ; R108.2 R107.2 ; R132.1 165.64,30.83 165.64,34.52 165.15,35.01 165.15,42.09 163.88,43.36 U24.11 ; U22.11 138.63,43.36 139.78,42.21 139.78,35.02 140.38,34.41 140.38,30.82 R121.1 ; R96.2 R97.2
